# KiCad board panel_bottom.kicad_pcb (continued)
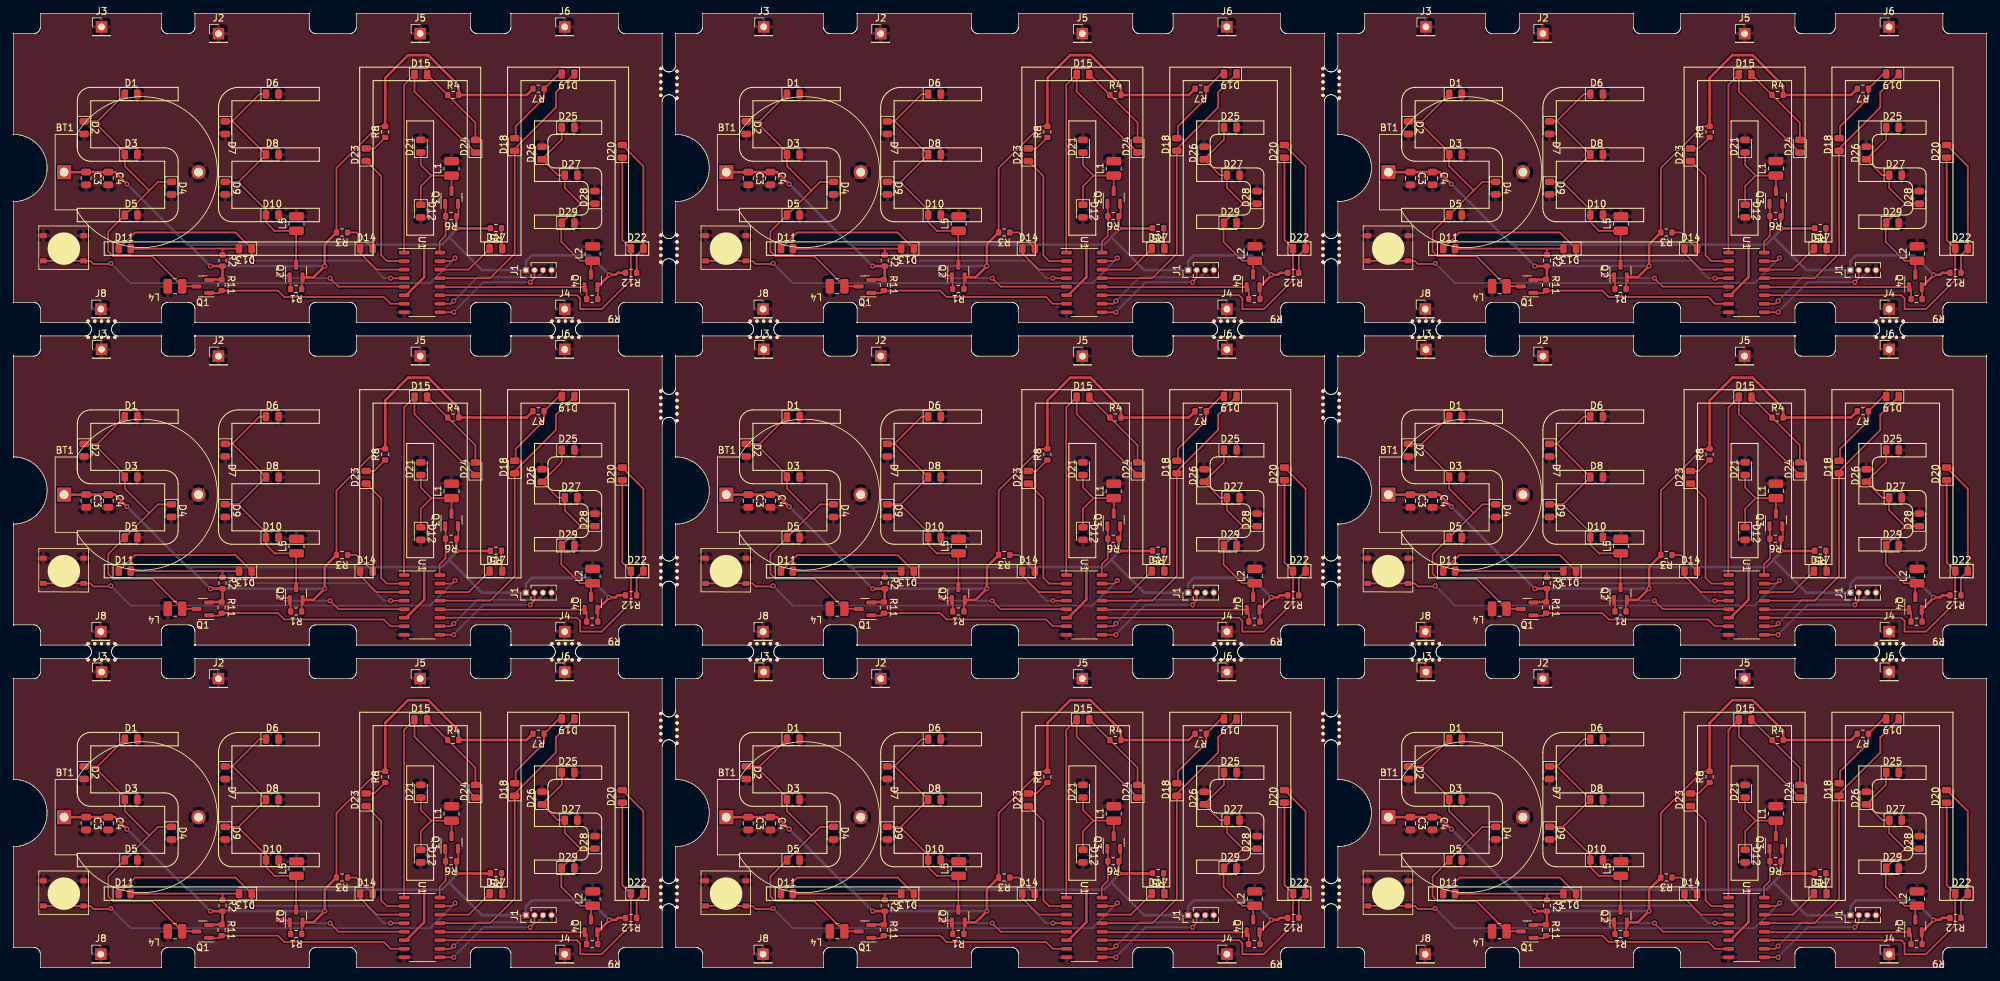
[diagram p0: board, top side]
## Placement (name value [footprint] x y rotation side) (continued)
KiKit_MB_9_5  -  [NPTH]  98.7 133.4 0 top
KiKit_MB_10_1  -  [NPTH]  98.7 105 0 top
KiKit_MB_10_2  -  [NPTH]  98.7 106 0 top
KiKit_MB_10_3  -  [NPTH]  98.7 107 0 top
KiKit_MB_10_4  -  [NPTH]  98.7 108 0 top
KiKit_MB_10_5  -  [NPTH]  98.7 109 0 top
KiKit_MB_11_1  -  [NPTH]  212.1 96.2 0 top
KiKit_MB_11_2  -  [NPTH]  211.1 96.2 0 top
KiKit_MB_11_3  -  [NPTH]  210.1 96.2 0 top
KiKit_MB_11_4  -  [NPTH]  209.1 96.2 0 top
KiKit_MB_11_5  -  [NPTH]  208.1 96.2 0 top
KiKit_MB_12_1  -  [NPTH]  281.1 96.2 0 top
KiKit_MB_12_2  -  [NPTH]  280.1 96.2 0 top
KiKit_MB_12_3  -  [NPTH]  279.1 96.2 0 top
KiKit_MB_12_4  -  [NPTH]  278.1 96.2 0 top
KiKit_MB_12_5  -  [NPTH]  277.1 96.2 0 top
KiKit_MB_13_1  -  [NPTH]  197.2 129.4 0 top
KiKit_MB_13_2  -  [NPTH]  197.2 130.4 0 top
KiKit_MB_13_3  -  [NPTH]  197.2 131.4 0 top
KiKit_MB_13_4  -  [NPTH]  197.2 132.4 0 top
KiKit_MB_13_5  -  [NPTH]  197.2 133.4 0 top
KiKit_MB_14_1  -  [NPTH]  197.2 105 0 top
KiKit_MB_14_2  -  [NPTH]  197.2 106 0 top
KiKit_MB_14_3  -  [NPTH]  197.2 107 0 top
KiKit_MB_14_4  -  [NPTH]  197.2 108 0 top
KiKit_MB_14_5  -  [NPTH]  197.2 109 0 top
KiKit_MB_15_1  -  [NPTH]  96.3 85.8 0 top
KiKit_MB_15_2  -  [NPTH]  96.3 84.8 0 top
KiKit_MB_15_3  -  [NPTH]  96.3 83.8 0 top
KiKit_MB_15_4  -  [NPTH]  96.3 82.8 0 top
KiKit_MB_15_5  -  [NPTH]  96.3 81.8 0 top
KiKit_MB_16_1  -  [NPTH]  96.3 61 0 top
KiKit_MB_16_2  -  [NPTH]  96.3 60 0 top
KiKit_MB_16_3  -  [NPTH]  96.3 59 0 top
KiKit_MB_16_4  -  [NPTH]  96.3 58 0 top
KiKit_MB_16_5  -  [NPTH]  96.3 57 0 top
KiKit_MB_17_1  -  [NPTH]  15.1 48.2 0 top
KiKit_MB_17_2  -  [NPTH]  14.1 48.2 0 top
KiKit_MB_17_3  -  [NPTH]  13.1 48.2 0 top
KiKit_MB_17_4  -  [NPTH]  12.1 48.2 0 top
KiKit_MB_17_5  -  [NPTH]  11.1 48.2 0 top
KiKit_MB_18_1  -  [NPTH]  84.1 48.2 0 top
KiKit_MB_18_2  -  [NPTH]  83.1 48.2 0 top
KiKit_MB_18_3  -  [NPTH]  82.1 48.2 0 top
KiKit_MB_18_4  -  [NPTH]  81.1 48.2 0 top
KiKit_MB_18_5  -  [NPTH]  80.1 48.2 0 top
KiKit_MB_19_1  -  [NPTH]  11.1 93.8 0 top
KiKit_MB_19_2  -  [NPTH]  12.1 93.8 0 top
KiKit_MB_19_3  -  [NPTH]  13.1 93.8 0 top
KiKit_MB_19_4  -  [NPTH]  14.1 93.8 0 top
KiKit_MB_19_5  -  [NPTH]  15.1 93.8 0 top
KiKit_MB_20_1  -  [NPTH]  80.1 93.8 0 top
KiKit_MB_20_2  -  [NPTH]  81.1 93.8 0 top
KiKit_MB_20_3  -  [NPTH]  82.1 93.8 0 top
KiKit_MB_20_4  -  [NPTH]  83.1 93.8 0 top
KiKit_MB_20_5  -  [NPTH]  84.1 93.8 0 top
KiKit_MB_21_1  -  [NPTH]  194.8 85.8 0 top
KiKit_MB_21_2  -  [NPTH]  194.8 84.8 0 top
KiKit_MB_21_3  -  [NPTH]  194.8 83.8 0 top
KiKit_MB_21_4  -  [NPTH]  194.8 82.8 0 top
KiKit_MB_21_5  -  [NPTH]  194.8 81.8 0 top
KiKit_MB_22_1  -  [NPTH]  194.8 61 0 top
KiKit_MB_22_2  -  [NPTH]  194.8 60 0 top
KiKit_MB_22_3  -  [NPTH]  194.8 59 0 top
KiKit_MB_22_4  -  [NPTH]  194.8 58 0 top
KiKit_MB_22_5  -  [NPTH]  194.8 57 0 top
KiKit_MB_23_1  -  [NPTH]  113.6 48.2 0 top
KiKit_MB_23_2  -  [NPTH]  112.6 48.2 0 top
KiKit_MB_23_3  -  [NPTH]  111.6 48.2 0 top
KiKit_MB_23_4  -  [NPTH]  110.6 48.2 0 top
KiKit_MB_23_5  -  [NPTH]  109.6 48.2 0 top
KiKit_MB_24_1  -  [NPTH]  182.6 48.2 0 top
KiKit_MB_24_2  -  [NPTH]  181.6 48.2 0 top
KiKit_MB_24_3  -  [NPTH]  180.6 48.2 0 top
KiKit_MB_24_4  -  [NPTH]  179.6 48.2 0 top
KiKit_MB_24_5  -  [NPTH]  178.6 48.2 0 top
KiKit_MB_25_1  -  [NPTH]  98.7 81.4 0 top
KiKit_MB_25_2  -  [NPTH]  98.7 82.4 0 top
KiKit_MB_25_3  -  [NPTH]  98.7 83.4 0 top
KiKit_MB_25_4  -  [NPTH]  98.7 84.4 0 top
KiKit_MB_25_5  -  [NPTH]  98.7 85.4 0 top
KiKit_MB_26_1  -  [NPTH]  109.6 93.8 0 top
KiKit_MB_26_2  -  [NPTH]  110.6 93.8 0 top
KiKit_MB_26_3  -  [NPTH]  111.6 93.8 0 top
KiKit_MB_26_4  -  [NPTH]  112.6 93.8 0 top
KiKit_MB_26_5  -  [NPTH]  113.6 93.8 0 top
KiKit_MB_27_1  -  [NPTH]  178.6 93.8 0 top
KiKit_MB_27_2  -  [NPTH]  179.6 93.8 0 top
KiKit_MB_27_3  -  [NPTH]  180.6 93.8 0 top
KiKit_MB_27_4  -  [NPTH]  181.6 93.8 0 top
KiKit_MB_27_5  -  [NPTH]  182.6 93.8 0 top
KiKit_MB_28_1  -  [NPTH]  98.7 57 0 top
KiKit_MB_28_2  -  [NPTH]  98.7 58 0 top
KiKit_MB_28_3  -  [NPTH]  98.7 59 0 top
KiKit_MB_28_4  -  [NPTH]  98.7 60 0 top
KiKit_MB_28_5  -  [NPTH]  98.7 61 0 top
KiKit_MB_29_1  -  [NPTH]  212.1 48.2 0 top
KiKit_MB_29_2  -  [NPTH]  211.1 48.2 0 top
KiKit_MB_29_3  -  [NPTH]  210.1 48.2 0 top
KiKit_MB_29_4  -  [NPTH]  209.1 48.2 0 top
KiKit_MB_29_5  -  [NPTH]  208.1 48.2 0 top
KiKit_MB_30_1  -  [NPTH]  281.1 48.2 0 top
KiKit_MB_30_2  -  [NPTH]  280.1 48.2 0 top
KiKit_MB_30_3  -  [NPTH]  279.1 48.2 0 top
KiKit_MB_30_4  -  [NPTH]  278.1 48.2 0 top
KiKit_MB_30_5  -  [NPTH]  277.1 48.2 0 top
KiKit_MB_31_1  -  [NPTH]  197.2 81.4 0 top
KiKit_MB_31_2  -  [NPTH]  197.2 82.4 0 top
KiKit_MB_31_3  -  [NPTH]  197.2 83.4 0 top
KiKit_MB_31_4  -  [NPTH]  197.2 84.4 0 top
KiKit_MB_31_5  -  [NPTH]  197.2 85.4 0 top
KiKit_MB_32_1  -  [NPTH]  208.1 93.8 0 top
KiKit_MB_32_2  -  [NPTH]  209.1 93.8 0 top
KiKit_MB_32_3  -  [NPTH]  210.1 93.8 0 top
KiKit_MB_32_4  -  [NPTH]  211.1 93.8 0 top
KiKit_MB_32_5  -  [NPTH]  212.1 93.8 0 top
KiKit_MB_33_1  -  [NPTH]  277.1 93.8 0 top
KiKit_MB_33_2  -  [NPTH]  278.1 93.8 0 top
KiKit_MB_33_3  -  [NPTH]  279.1 93.8 0 top
KiKit_MB_33_4  -  [NPTH]  280.1 93.8 0 top
KiKit_MB_33_5  -  [NPTH]  281.1 93.8 0 top
KiKit_MB_34_1  -  [NPTH]  197.2 57 0 top
KiKit_MB_34_2  -  [NPTH]  197.2 58 0 top
KiKit_MB_34_3  -  [NPTH]  197.2 59 0 top
KiKit_MB_34_4  -  [NPTH]  197.2 60 0 top
KiKit_MB_34_5  -  [NPTH]  197.2 61 0 top
KiKit_MB_35_1  -  [NPTH]  96.3 37.8 0 top
KiKit_MB_35_2  -  [NPTH]  96.3 36.8 0 top
KiKit_MB_35_3  -  [NPTH]  96.3 35.8 0 top
KiKit_MB_35_4  -  [NPTH]  96.3 34.8 0 top
KiKit_MB_35_5  -  [NPTH]  96.3 33.8 0 top
KiKit_MB_36_1  -  [NPTH]  96.3 13 0 top
KiKit_MB_36_2  -  [NPTH]  96.3 12 0 top
KiKit_MB_36_3  -  [NPTH]  96.3 11 0 top
KiKit_MB_36_4  -  [NPTH]  96.3 10 0 top
KiKit_MB_36_5  -  [NPTH]  96.3 9 0 top
KiKit_MB_37_1  -  [NPTH]  11.1 45.8 0 top
KiKit_MB_37_2  -  [NPTH]  12.1 45.8 0 top
KiKit_MB_37_3  -  [NPTH]  13.1 45.8 0 top
KiKit_MB_37_4  -  [NPTH]  14.1 45.8 0 top
KiKit_MB_37_5  -  [NPTH]  15.1 45.8 0 top
KiKit_MB_38_1  -  [NPTH]  80.1 45.8 0 top
KiKit_MB_38_2  -  [NPTH]  81.1 45.8 0 top
KiKit_MB_38_3  -  [NPTH]  82.1 45.8 0 top
KiKit_MB_38_4  -  [NPTH]  83.1 45.8 0 top
KiKit_MB_38_5  -  [NPTH]  84.1 45.8 0 top
KiKit_MB_39_1  -  [NPTH]  194.8 37.8 0 top
KiKit_MB_39_2  -  [NPTH]  194.8 36.8 0 top
KiKit_MB_39_3  -  [NPTH]  194.8 35.8 0 top
KiKit_MB_39_4  -  [NPTH]  194.8 34.8 0 top
KiKit_MB_39_5  -  [NPTH]  194.8 33.8 0 top
KiKit_MB_40_1  -  [NPTH]  194.8 13 0 top
KiKit_MB_40_2  -  [NPTH]  194.8 12 0 top
KiKit_MB_40_3  -  [NPTH]  194.8 11 0 top
KiKit_MB_40_4  -  [NPTH]  194.8 10 0 top
KiKit_MB_40_5  -  [NPTH]  194.8 9 0 top
KiKit_MB_41_1  -  [NPTH]  98.7 33.4 0 top
KiKit_MB_41_2  -  [NPTH]  98.7 34.4 0 top
KiKit_MB_41_3  -  [NPTH]  98.7 35.4 0 top
KiKit_MB_41_4  -  [NPTH]  98.7 36.4 0 top
KiKit_MB_41_5  -  [NPTH]  98.7 37.4 0 top
KiKit_MB_42_1  -  [NPTH]  109.6 45.8 0 top
KiKit_MB_42_2  -  [NPTH]  110.6 45.8 0 top
KiKit_MB_42_3  -  [NPTH]  111.6 45.8 0 top
KiKit_MB_42_4  -  [NPTH]  112.6 45.8 0 top
KiKit_MB_42_5  -  [NPTH]  113.6 45.8 0 top
KiKit_MB_43_1  -  [NPTH]  178.6 45.8 0 top
KiKit_MB_43_2  -  [NPTH]  179.6 45.8 0 top
KiKit_MB_43_3  -  [NPTH]  180.6 45.8 0 top
KiKit_MB_43_4  -  [NPTH]  181.6 45.8 0 top
KiKit_MB_43_5  -  [NPTH]  182.6 45.8 0 top
KiKit_MB_44_1  -  [NPTH]  98.7 9 0 top
KiKit_MB_44_2  -  [NPTH]  98.7 10 0 top
KiKit_MB_44_3  -  [NPTH]  98.7 11 0 top
KiKit_MB_44_4  -  [NPTH]  98.7 12 0 top
KiKit_MB_44_5  -  [NPTH]  98.7 13 0 top
KiKit_MB_45_1  -  [NPTH]  197.2 33.4 0 top
KiKit_MB_45_2  -  [NPTH]  197.2 34.4 0 top
KiKit_MB_45_3  -  [NPTH]  197.2 35.4 0 top
KiKit_MB_45_4  -  [NPTH]  197.2 36.4 0 top
KiKit_MB_45_5  -  [NPTH]  197.2 37.4 0 top
KiKit_MB_46_1  -  [NPTH]  208.1 45.8 0 top
KiKit_MB_46_2  -  [NPTH]  209.1 45.8 0 top
KiKit_MB_46_3  -  [NPTH]  210.1 45.8 0 top
KiKit_MB_46_4  -  [NPTH]  211.1 45.8 0 top
KiKit_MB_46_5  -  [NPTH]  212.1 45.8 0 top
KiKit_MB_47_1  -  [NPTH]  277.1 45.8 0 top
KiKit_MB_47_2  -  [NPTH]  278.1 45.8 0 top
KiKit_MB_47_3  -  [NPTH]  279.1 45.8 0 top
KiKit_MB_47_4  -  [NPTH]  280.1 45.8 0 top
KiKit_MB_47_5  -  [NPTH]  281.1 45.8 0 top
KiKit_MB_48_1  -  [NPTH]  197.2 9 0 top
KiKit_MB_48_2  -  [NPTH]  197.2 10 0 top
KiKit_MB_48_3  -  [NPTH]  197.2 11 0 top
KiKit_MB_48_4  -  [NPTH]  197.2 12 0 top
KiKit_MB_48_5  -  [NPTH]  197.2 13 0 top
L1  L  [L_1008_2520Metric]  262.16 118.94 90 top
L1#2  L  [L_1008_2520Metric]  65.16 70.94 90 top
L1#3  L  [L_1008_2520Metric]  262.16 22.94 90 top
L1#4  L  [L_1008_2520Metric]  163.66 118.94 90 top
L1#5  L  [L_1008_2520Metric]  262.16 70.94 90 top
L1#6  L  [L_1008_2520Metric]  65.16 118.94 90 top
L1#7  L  [L_1008_2520Metric]  163.66 22.94 90 top
L1#8  L  [L_1008_2520Metric]  163.66 70.94 90 top
L1#9  L  [L_1008_2520Metric]  65.16 22.94 90 top
L2  L  [L_1008_2520Metric]  283.15 58.26 90 top
L2#2  L  [L_1008_2520Metric]  86.15 58.26 90 top
L2#3  L  [L_1008_2520Metric]  86.15 10.26 90 top
L2#4  L  [L_1008_2520Metric]  283.15 106.26 90 top
L2#5  L  [L_1008_2520Metric]  283.15 10.26 90 top
L2#6  L  [L_1008_2520Metric]  86.15 106.26 90 top
L2#7  L  [L_1008_2520Metric]  184.65 10.26 90 top
L2#8  L  [L_1008_2520Metric]  184.65 58.26 90 top
L2#9  L  [L_1008_2520Metric]  184.65 106.26 90 top
L4  L  [L_1008_2520Metric]  221.03 101.4 180 top
L4#2  L  [L_1008_2520Metric]  24.02 53.4 180 top
L4#3  L  [L_1008_2520Metric]  122.53 101.4 180 top
L4#4  L  [L_1008_2520Metric]  122.53 53.4 180 top
L4#5  L  [L_1008_2520Metric]  221.03 53.4 180 top
L4#6  L  [L_1008_2520Metric]  24.02 101.4 180 top
L4#7  L  [L_1008_2520Metric]  122.53 5.4 180 top
L4#8  L  [L_1008_2520Metric]  221.03 5.4 180 top
L4#9  L  [L_1008_2520Metric]  24.02 5.4 180 top
L5  L  [L_1008_2520Metric]  42.1 14.72 90 top
L5#2  L  [L_1008_2520Metric]  42.1 110.72 90 top
L5#3  L  [L_1008_2520Metric]  140.6 14.72 90 top
L5#4  L  [L_1008_2520Metric]  140.6 62.72 90 top
L5#5  L  [L_1008_2520Metric]  239.1 110.72 90 top
L5#6  L  [L_1008_2520Metric]  42.1 62.72 90 top
L5#7  L  [L_1008_2520Metric]  239.1 62.72 90 top
L5#8  L  [L_1008_2520Metric]  239.1 14.72 90 top
L5#9  L  [L_1008_2520Metric]  140.6 110.72 90 top
Q1  AO3401A  [SOT-23]  28.16 101.38 0 top
Q1#2  AO3401A  [SOT-23]  126.66 5.38 0 top
Q1#3  AO3401A  [SOT-23]  126.66 53.38 0 top
Q1#4  AO3401A  [SOT-23]  28.16 5.38 0 top
Q1#5  AO3401A  [SOT-23]  126.66 101.38 0 top
Q1#6  AO3401A  [SOT-23]  225.16 5.38 0 top
Q1#7  AO3401A  [SOT-23]  225.16 101.38 0 top
Q1#8  AO3401A  [SOT-23]  28.16 53.38 0 top
Q1#9  AO3401A  [SOT-23]  225.16 53.38 0 top
Q2  AO3401A  [SOT-23]  239.05 103.66 270 top
Q2#2  AO3401A  [SOT-23]  140.55 7.66 270 top
Q2#3  AO3401A  [SOT-23]  42.05 103.66 270 top
Q2#4  AO3401A  [SOT-23]  239.05 7.66 270 top
Q2#5  AO3401A  [SOT-23]  140.55 55.66 270 top
Q2#6  AO3401A  [SOT-23]  239.05 55.66 270 top
Q2#7  AO3401A  [SOT-23]  140.55 103.66 270 top
Q2#8  AO3401A  [SOT-23]  42.05 7.66 270 top
Q2#9  AO3401A  [SOT-23]  42.05 55.66 270 top
Q3  AO3401A  [SOT-23]  65.16 18.62 270 top
Q3#2  AO3401A  [SOT-23]  262.16 66.62 270 top
Q3#3  AO3401A  [SOT-23]  163.66 18.62 270 top
Q3#4  AO3401A  [SOT-23]  262.16 114.62 270 top
Q3#5  AO3401A  [SOT-23]  65.16 114.62 270 top
Q3#6  AO3401A  [SOT-23]  163.66 66.62 270 top
Q3#7  AO3401A  [SOT-23]  65.16 66.62 270 top
Q3#8  AO3401A  [SOT-23]  262.16 18.62 270 top
Q3#9  AO3401A  [SOT-23]  163.66 114.62 270 top
Q4  AO3401A  [SOT-23]  282.9 102.2 270 top
Q4#2  AO3401A  [SOT-23]  184.4 6.2 270 top
Q4#3  AO3401A  [SOT-23]  282.9 54.2 270 top
Q4#4  AO3401A  [SOT-23]  85.9 54.2 270 top
Q4#5  AO3401A  [SOT-23]  184.4 102.2 270 top
Q4#6  AO3401A  [SOT-23]  282.9 6.2 270 top
Q4#7  AO3401A  [SOT-23]  85.9 102.2 270 top
Q4#8  AO3401A  [SOT-23]  184.4 54.2 270 top
Q4#9  AO3401A  [SOT-23]  85.9 6.2 270 top
R1  100k  [R_0603_1608Metric]  140.55 5 180 top
R1#2  100k  [R_0603_1608Metric]  239.05 101 180 top
R1#3  100k  [R_0603_1608Metric]  239.05 5 180 top
R1#4  100k  [R_0603_1608Metric]  42.05 101 180 top
R1#5  100k  [R_0603_1608Metric]  42.05 53 180 top
R1#6  100k  [R_0603_1608Metric]  42.05 5 180 top
R1#7  100k  [R_0603_1608Metric]  140.55 53 180 top
R1#8  100k  [R_0603_1608Metric]  140.55 101 180 top
R1#9  100k  [R_0603_1608Metric]  239.05 53 180 top
R2  510  [R_0603_1608Metric]  228.1 105.22 270 top
R2#2  510  [R_0603_1608Metric]  129.6 57.22 270 top
R2#3  510  [R_0603_1608Metric]  31.1 57.22 270 top
R2#4  510  [R_0603_1608Metric]  129.6 105.22 270 top
R2#5  510  [R_0603_1608Metric]  31.1 105.22 270 top
R2#6  510  [R_0603_1608Metric]  129.6 9.22 270 top
R2#7  510  [R_0603_1608Metric]  31.1 9.22 270 top
R2#8  510  [R_0603_1608Metric]  228.1 57.22 270 top
R2#9  510  [R_0603_1608Metric]  228.1 9.22 270 top
R3  1k  [R_0603_1608Metric]  147.38 13.4 180 top
R3#2  1k  [R_0603_1608Metric]  48.88 61.4 180 top
R3#3  1k  [R_0603_1608Metric]  245.88 13.4 180 top
R3#4  1k  [R_0603_1608Metric]  147.38 61.4 180 top
R3#5  1k  [R_0603_1608Metric]  245.88 109.4 180 top
R3#6  1k  [R_0603_1608Metric]  147.38 109.4 180 top
R3#7  1k  [R_0603_1608Metric]  48.88 13.4 180 top
R3#8  1k  [R_0603_1608Metric]  245.88 61.4 180 top
R3#9  1k  [R_0603_1608Metric]  48.88 109.4 180 top
R4  510  [R_0603_1608Metric]  262.42 129.86 0 top
R4#2  510  [R_0603_1608Metric]  163.92 129.86 0 top
R4#3  510  [R_0603_1608Metric]  65.42 33.86 0 top
R4#4  510  [R_0603_1608Metric]  65.42 81.86 0 top
R4#5  510  [R_0603_1608Metric]  262.42 81.86 0 top
R4#6  510  [R_0603_1608Metric]  163.92 33.86 0 top
R4#7  510  [R_0603_1608Metric]  65.42 129.86 0 top
R4#8  510  [R_0603_1608Metric]  262.42 33.86 0 top
R4#9  510  [R_0603_1608Metric]  163.92 81.86 0 top
R5  1k  [R_0603_1608Metric]  268.77 14.05 180 top
R5#2  1k  [R_0603_1608Metric]  268.77 110.05 180 top
R5#3  1k  [R_0603_1608Metric]  268.77 62.05 180 top
R5#4  1k  [R_0603_1608Metric]  170.27 110.05 180 top
R5#5  1k  [R_0603_1608Metric]  71.77 62.05 180 top
R5#6  1k  [R_0603_1608Metric]  170.27 14.05 180 top
R5#7  1k  [R_0603_1608Metric]  71.77 110.05 180 top
R5#8  1k  [R_0603_1608Metric]  71.77 14.05 180 top
R5#9  1k  [R_0603_1608Metric]  170.27 62.05 180 top
R6  100k  [R_0603_1608Metric]  262.1 63.83 180 top
R6#2  100k  [R_0603_1608Metric]  262.1 15.83 180 top
R6#3  100k  [R_0603_1608Metric]  262.1 111.83 180 top
R6#4  100k  [R_0603_1608Metric]  163.6 63.83 180 top
R6#5  100k  [R_0603_1608Metric]  65.1 63.83 180 top
R6#6  100k  [R_0603_1608Metric]  163.6 15.83 180 top
R6#7  100k  [R_0603_1608Metric]  163.6 111.83 180 top
R6#8  100k  [R_0603_1608Metric]  65.1 111.83 180 top
R6#9  100k  [R_0603_1608Metric]  65.1 15.83 180 top
R7  510  [R_0603_1608Metric]  78.1 34.8 180 top
R7#2  510  [R_0603_1608Metric]  176.6 82.8 180 top
R7#3  510  [R_0603_1608Metric]  78.1 82.8 180 top
R7#4  510  [R_0603_1608Metric]  275.1 34.8 180 top
R7#5  510  [R_0603_1608Metric]  176.6 130.8 180 top
R7#6  510  [R_0603_1608Metric]  176.6 34.8 180 top
R7#7  510  [R_0603_1608Metric]  78.1 130.8 180 top
R7#8  510  [R_0603_1608Metric]  275.1 130.8 180 top
R7#9  510  [R_0603_1608Metric]  275.1 82.8 180 top
R8  1k  [R_0603_1608Metric]  153.8 28.38 90 top
R8#2  1k  [R_0603_1608Metric]  55.3 124.38 90 top
R8#3  1k  [R_0603_1608Metric]  252.3 76.38 90 top
R8#4  1k  [R_0603_1608Metric]  153.8 76.38 90 top
R8#5  1k  [R_0603_1608Metric]  252.3 28.38 90 top
R8#6  1k  [R_0603_1608Metric]  153.8 124.38 90 top
R8#7  1k  [R_0603_1608Metric]  55.3 76.38 90 top
R8#8  1k  [R_0603_1608Metric]  252.3 124.38 90 top
R8#9  1k  [R_0603_1608Metric]  55.3 28.38 90 top
R9  100k  [R_0603_1608Metric]  283.09 3.48 180 top
R9#2  100k  [R_0603_1608Metric]  283.09 99.48 180 top
R9#3  100k  [R_0603_1608Metric]  184.59 99.48 180 top
R9#4  100k  [R_0603_1608Metric]  184.59 3.48 180 top
R9#5  100k  [R_0603_1608Metric]  86.09 51.48 180 top
R9#6  100k  [R_0603_1608Metric]  283.09 51.48 180 top
R9#7  100k  [R_0603_1608Metric]  184.59 51.48 180 top
R9#8  100k  [R_0603_1608Metric]  86.09 99.48 180 top
R9#9  100k  [R_0603_1608Metric]  86.09 3.48 180 top
R11  100k  [R_0603_1608Metric]  227.96 101.58 270 top
R11#2  100k  [R_0603_1608Metric]  30.96 53.58 270 top
R11#3  100k  [R_0603_1608Metric]  129.46 5.57 270 top
R11#4  100k  [R_0603_1608Metric]  129.46 101.58 270 top
R11#5  100k  [R_0603_1608Metric]  129.46 53.58 270 top
R11#6  100k  [R_0603_1608Metric]  227.96 53.58 270 top
R11#7  100k  [R_0603_1608Metric]  30.96 101.58 270 top
R11#8  100k  [R_0603_1608Metric]  30.96 5.57 270 top
R11#9  100k  [R_0603_1608Metric]  227.96 5.57 270 top
R12  510  [R_0603_1608Metric]  288.88 103.4 180 top
R12#2  510  [R_0603_1608Metric]  190.38 7.4 180 top
R12#3  510  [R_0603_1608Metric]  190.38 103.4 180 top
R12#4  510  [R_0603_1608Metric]  91.88 103.4 180 top
R12#5  510  [R_0603_1608Metric]  91.88 7.4 180 top
R12#6  510  [R_0603_1608Metric]  190.38 55.4 180 top
R12#7  510  [R_0603_1608Metric]  288.88 55.4 180 top
R12#8  510  [R_0603_1608Metric]  91.88 55.4 180 top
R12#9  510  [R_0603_1608Metric]  288.88 7.4 180 top
SW1  SW_DPST_x2  [SW_Push_TS-1187A]  204.45 59.05 180 top
SW1#2  SW_DPST_x2  [SW_Push_TS-1187A]  7.45 59.05 180 top
SW1#3  SW_DPST_x2  [SW_Push_TS-1187A]  105.95 59.05 180 top
SW1#4  SW_DPST_x2  [SW_Push_TS-1187A]  204.45 11.05 180 top
SW1#5  SW_DPST_x2  [SW_Push_TS-1187A]  204.45 107.05 180 top
SW1#6  SW_DPST_x2  [SW_Push_TS-1187A]  7.45 107.05 180 top
SW1#7  SW_DPST_x2  [SW_Push_TS-1187A]  7.45 11.05 180 top
SW1#8  SW_DPST_x2  [SW_Push_TS-1187A]  105.95 107.05 180 top
SW1#9  SW_DPST_x2  [SW_Push_TS-1187A]  105.95 11.05 180 top
U1  STC8G1K08-SOP16  [STC_SOP-16_3.9x9.9mm_P1.27mm]  257.79 101.97 270 top
U1#2  STC8G1K08-SOP16  [STC_SOP-16_3.9x9.9mm_P1.27mm]  159.29 5.97 270 top
U1#3  STC8G1K08-SOP16  [STC_SOP-16_3.9x9.9mm_P1.27mm]  60.79 5.97 270 top
U1#4  STC8G1K08-SOP16  [STC_SOP-16_3.9x9.9mm_P1.27mm]  159.29 53.97 270 top
U1#5  STC8G1K08-SOP16  [STC_SOP-16_3.9x9.9mm_P1.27mm]  257.79 5.97 270 top
U1#6  STC8G1K08-SOP16  [STC_SOP-16_3.9x9.9mm_P1.27mm]  60.79 101.97 270 top
U1#7  STC8G1K08-SOP16  [STC_SOP-16_3.9x9.9mm_P1.27mm]  60.79 53.97 270 top
U1#8  STC8G1K08-SOP16  [STC_SOP-16_3.9x9.9mm_P1.27mm]  257.79 53.97 270 top
U1#9  STC8G1K08-SOP16  [STC_SOP-16_3.9x9.9mm_P1.27mm]  159.29 101.97 270 top

## Library data of the parts
BT1 BT1#2-BT1#9 = -: Description: Multiple-cell battery
C3 C3#2-C3#9 C4 C4#2-C4#9 = -: Description: Unpolarized capacitor
D1 D1#2-D1#9 D2 D2#2-D2#9 D3 D3#2-D3#9 D4 D4#2-D4#9 D5 D5#2-D5#9 D6 D6#2-D6#9 D7 D7#2-D7#9 D8 D8#2-D8#9 D9 D9#2-D9#9 D10 D10#2-D10#9 D11 D11#2-D11#9 D12 D12#2-D12#9 D13 D13#2-D13#9 D14 D14#2-D14#9 D15 D15#2-D15#9 D17 D17#2-D17#9 D18 D18#2-D18#9 D19 D19#2-D19#9 D20 D20#2-D20#9 D21 D21#2-D21#9 D22 D22#2-D22#9 D23 D23#2-D23#9 D24 D24#2-D24#9 D25 D25#2-D25#9 D26 D26#2-D26#9 D27 D27#2-D27#9 D28 D28#2-D28#9 D29 D29#2-D29#9 = -: Description: Light emitting diode
J1 J1#2-J1#9 = -: Description: Generic connector, single row, 01x04, script generated (kicad-library-utils/schlib/autogen/connector/)
J2 J2#2-J2#9 J3 J3#2-J3#9 J4 J4#2-J4#9 J5 J5#2-J5#9 J6 J6#2-J6#9 J8 J8#2-J8#9 = -: Description: Generic connector, single row, 01x01, script generated (kicad-library-utils/schlib/autogen/connector/)
L1 L1#2-L1#9 L2 L2#2-L2#9 L4 L4#2-L4#9 L5 L5#2-L5#9 = -: Description: Inductor
Q1 Q1#2-Q1#9 Q2 Q2#2-Q2#9 Q3 Q3#2-Q3#9 Q4 Q4#2-Q4#9 = -: Description: -4.0A Id, -30V Vds, P-Channel MOSFET, SOT-23
R1 R1#2-R1#9 R2 R2#2-R2#9 R3 R3#2-R3#9 R4 R4#2-R4#9 R5 R5#2-R5#9 R6 R6#2-R6#9 R7 R7#2-R7#9 R8 R8#2-R8#9 R9 R9#2-R9#9 R11 R11#2-R11#9 R12 R12#2-R12#9 = -: Description: Resistor
SW1 SW1#2-SW1#9 = -: Description: Single Pole Single Throw (SPST) switch, separate symbol
U1 U1#2-U1#9 = -: Description: Single Chip MCU based on the 8051 architecture, 1KB Flash, 4KB EEPROM, SOP-16

## Footprints (pads in the part's own frame, mm; a bottom-side part is the same pattern mirrored in y, then rotated)
C_0805_2012Metric
  rrect 1x1.45 smd: 1(-0.95,0) 2(0.95,0)
CR2032_Holder
  rect 2.1x2.1 hole 1.3: 1(0,0)
  round 2.1 hole 1.3: 2(20,0)
L_1008_2520Metric
  rrect 1.25x2.2 smd: 1(-1.075,0) 2(1.075,0)
LED_0805_2012Metric
  rrect 0.975x1.4 smd: 1(-0.938,0) 2(0.938,0)
LED_0805_2012Metric#2
  rrect 0.975x1.4 smd: 1(-0.834,-0.002) 2(0.938,0)
NPTH
  round 0.5 hole 0.5 unplated: (0,0)
PinHeader_1x01_P2.54mm_Vertical
  rect 1.7x1.7 hole 1: 1(0,0)
PinHeader_1x04_P1.27mm_Vertical
  rect 1x1 hole 0.65: 1(0,0)
  oval 1x1 hole 0.65: 2(0,-1.27) 3(0,-2.54) 4(0,-3.81)
R_0603_1608Metric
  rrect 0.8x0.95 smd: 1(-0.825,0) 2(0.825,0)
SOT-23
  rrect 1.475x0.6 smd: 1(0.938,-0.95) 2(0.938,0.95) 3(-0.938,0)
STC_SOP-16_3.9x9.9mm_P1.27mm
  rrect 0.55x1.6 smd: 1(-4.445,-2.65) 2(-3.175,-2.65) 3(-1.905,-2.65) 4(-0.635,-2.65) 5(0.635,-2.65) 6(1.905,-2.65) 7(3.175,-2.65) 8(4.445,-2.65) 9(4.445,2.65) 10(3.175,2.65) 11(1.905,2.65) 12(0.635,2.65) 13(-0.635,2.65) 14(-1.905,2.65) 15(-3.175,2.65) 16(-4.445,2.65)
SW_Push_TS-1187A
  rect 1x0.75 smd: 1(-3,1.875) 1(3,1.875) 2(-3,-1.875) 2(3,-1.875)

## Nets
Board_0-/LED_EN_1: Q3#5.1 R6#8.2 U1#6.16
Board_0-/LED_EN_5: Q4#7.1 R9#8.2 U1#6.12
Board_0-/LED_EN_E: Q2#3.1 R1#4.2 U1#6.5
Board_0-/LED_EN_M1: D11#4.1 D13#2.1 U1#6.4
Board_0-/LED_EN_M2: D14#3.1 U1#6.3
Board_0-/LED_EN_M3: D23#6.1 U1#6.2
Board_0-/LED_EN_M4: D15#5.1 D24#5.1 U1#6.1
Board_0-/LED_EN_M5: D17#8.1 U1#6.14
Board_0-/LED_EN_M6: D18#9.1 D19#9.1 U1#6.13
Board_0-/LED_EN_M7: D20#7.1 D22.1 U1#6.11
Board_0-/LED_EN_S: Q1.1 R11#7.2 U1#6.7
Board_0-/P3.0: J1#8.2 U1#6.9
Board_0-/P3.1: J1#8.3 U1#6.10
Board_0-/SW_IN: SW1#6.1 U1#6.15
Board_0-GND: BT1#5.2 C3.2 C4#6.2 D1#3.2 D2#2.2 D3#9.2 D4#9.2 D5.2 D6#5.2 D7#6.2 D8#9.2 D9#7.2 D10#4.2 D12#7.2 D21.2 D25#9.2 D26#3.2 D27#6.2 D28#2.2 D29#7.2 J1#8.4 J2#2.1 J3#2.1 J4#8.1 J5#7.1 J6#6.1 J8#2.1 L1#6.2 L2#6.2 L4#6.2 L5#2.2 SW1#6.2 U1#6.8
Board_0-Net-(D1-K): D1#3.1 D2#2.1 D3#9.1 D4#9.1 D5.1 L4#6.1 Q1.3
Board_0-Net-(D10-K): D6#5.1 D7#6.1 D8#9.1 D9#7.1 D10#4.1 L5#2.1 Q2#3.3
Board_0-Net-(D11-A): D11#4.2 D13#2.2 R2#5.1
Board_0-Net-(D12-K): D12#7.1 D21.1 L1#6.1 Q3#5.3
Board_0-Net-(D14-A): D14#3.2 R3#9.1
Board_0-Net-(D15-A): D15#5.2 D24#5.2 R4#7.1
Board_0-Net-(D17-A): D17#8.2 R5#7.1
Board_0-Net-(D18-A): D18#9.2 D19#9.2 R7#7.1
Board_0-Net-(D20-A): D20#7.2 D22.2 R12#4.1
Board_0-Net-(D23-A): D23#6.2 R8#2.1
Board_0-Net-(D25-K): D25#9.1 D26#3.1 D27#6.1 D28#2.1 D29#7.1 L2#6.1 Q4#7.3
Board_0-VCC: BT1#5.1 C3.1 C4#6.1 J1#8.1 Q1.2 Q2#3.2 Q3#5.2 Q4#7.2 R1#4.1 R2#5.2 R3#9.2 R4#7.2 R5#7.2 R6#8.1 R7#7.2 R8#2.2 R9#8.1 R11#7.1 R12#4.2 U1#6.6
Board_1-/LED_EN_1: Q3#9.1 R6#7.2 U1#9.16
Board_1-/LED_EN_5: Q4#5.1 R9#3.2 U1#9.12
Board_1-/LED_EN_E: Q2#7.1 R1#8.2 U1#9.5
Board_1-/LED_EN_M1: D11#6.1 D13#5.1 U1#9.4
Board_1-/LED_EN_M2: D14#9.1 U1#9.3
Board_1-/LED_EN_M3: D23#7.1 U1#9.2
Board_1-/LED_EN_M4: D15#8.1 D24#3.1 U1#9.1
Board_1-/LED_EN_M5: D17#4.1 U1#9.14
Board_1-/LED_EN_M6: D18#8.1 D19#6.1 U1#9.13
Board_1-/LED_EN_M7: D20#2.1 D22#6.1 U1#9.11
Board_1-/LED_EN_S: Q1#5.1 R11#4.2 U1#9.7
Board_1-/P3.0: J1#7.2 U1#9.9
Board_1-/P3.1: J1#7.3 U1#9.10
Board_1-/SW_IN: SW1#8.1 U1#9.15
Board_1-GND: BT1#9.2 C3#6.2 C4#3.2 D1#7.2 D2#9.2 D3#6.2 D4#6.2 D5#8.2 D6#9.2 D7.2 D8#8.2 D9#9.2 D10#5.2 D12#2.2 D21#6.2 D25.2 D26#4.2 D27#4.2 D28#6.2 D29#4.2 J1#7.4 J2#4.1 J3#8.1 J4#7.1 J5#4.1 J6#5.1 J8#8.1 L1#4.2 L2#9.2 L4#3.2 L5#9.2 SW1#8.2 U1#9.8
Board_1-Net-(D1-K): D1#7.1 D2#9.1 D3#6.1 D4#6.1 D5#8.1 L4#3.1 Q1#5.3
Board_1-Net-(D10-K): D6#9.1 D7.1 D8#8.1 D9#9.1 D10#5.1 L5#9.1 Q2#7.3
Board_1-Net-(D11-A): D11#6.2 D13#5.2 R2#4.1
Board_1-Net-(D12-K): D12#2.1 D21#6.1 L1#4.1 Q3#9.3
Board_1-Net-(D14-A): D14#9.2 R3#6.1
Board_1-Net-(D15-A): D15#8.2 D24#3.2 R4#2.1
Board_1-Net-(D17-A): D17#4.2 R5#4.1
Board_1-Net-(D18-A): D18#8.2 D19#6.2 R7#5.1
Board_1-Net-(D20-A): D20#2.2 D22#6.2 R12#3.1
Board_1-Net-(D23-A): D23#7.2 R8#6.1
Board_1-Net-(D25-K): D25.1 D26#4.1 D27#4.1 D28#6.1 D29#4.1 L2#9.1 Q4#5.3
Board_1-VCC: BT1#9.1 C3#6.1 C4#3.1 J1#7.1 Q1#5.2 Q2#7.2 Q3#9.2 Q4#5.2 R1#8.1 R2#4.2 R3#6.2 R4#2.2 R5#4.2 R6#7.1 R7#5.2 R8#6.2 R9#3.1 R11#4.1 R12#3.2 U1#9.6
Board_2-/LED_EN_1: Q3#4.1 R6#3.2 U1.16
Board_2-/LED_EN_5: Q4.1 R9#2.2 U1.12
Board_2-/LED_EN_E: Q2.1 R1#2.2 U1.5
Board_2-/LED_EN_M1: D11.1 D13#6.1 U1.4
Board_2-/LED_EN_M2: D14#6.1 U1.3
Board_2-/LED_EN_M3: D23#3.1 U1.2
Board_2-/LED_EN_M4: D15#3.1 D24.1 U1.1
Board_2-/LED_EN_M5: D17.1 U1.14
Board_2-/LED_EN_M6: D18#4.1 D19#7.1 U1.13
Board_2-/LED_EN_M7: D20.1 D22#7.1 U1.11
Board_2-/LED_EN_S: Q1#7.1 R11.2 U1.7
Board_2-/P3.0: J1#6.2 U1.9
Board_2-/P3.1: J1#6.3 U1.10
Board_2-/SW_IN: SW1#5.1 U1.15
Board_2-GND: BT1#2.2 C3#9.2 C4#2.2 D1#9.2 D2#8.2 D3.2 D4#5.2 D5#2.2 D6#6.2 D7#4.2 D8#3.2 D9#5.2 D10.2 D12#6.2 D21#2.2 D25#2.2 D26.2 D27#2.2 D28#9.2 D29.2 J1#6.4 J2#5.1 J3#3.1 J4#3.1 J5#9.1 J6#2.1 J8.1 L1.2 L2#4.2 L4.2 L5#5.2 SW1#5.2 U1.8
Board_2-Net-(D1-K): D1#9.1 D2#8.1 D3.1 D4#5.1 D5#2.1 L4.1 Q1#7.3
Board_2-Net-(D10-K): D6#6.1 D7#4.1 D8#3.1 D9#5.1 D10.1 L5#5.1 Q2.3
Board_2-Net-(D11-A): D11.2 D13#6.2 R2.1
Board_2-Net-(D12-K): D12#6.1 D21#2.1 L1.1 Q3#4.3
Board_2-Net-(D14-A): D14#6.2 R3#5.1
Board_2-Net-(D15-A): D15#3.2 D24.2 R4.1
Board_2-Net-(D17-A): D17.2 R5#2.1
Board_2-Net-(D18-A): D18#4.2 D19#7.2 R7#8.1
Board_2-Net-(D20-A): D20.2 D22#7.2 R12.1
Board_2-Net-(D23-A): D23#3.2 R8#8.1
Board_2-Net-(D25-K): D25#2.1 D26.1 D27#2.1 D28#9.1 D29.1 L2#4.1 Q4.3
Board_2-VCC: BT1#2.1 C3#9.1 C4#2.1 J1#6.1 Q1#7.2 Q2.2 Q3#4.2 Q4.2 R1#2.1 R2.2 R3#5.2 R4.2 R5#2.2 R6#3.1 R7#8.2 R8#8.2 R9#2.1 R11.1 R12.2 U1.6
Board_3-/LED_EN_1: Q3#7.1 R6#5.2 U1#7.16
Board_3-/LED_EN_5: Q4#4.1 R9#5.2 U1#7.12
Board_3-/LED_EN_E: Q2#9.1 R1#5.2 U1#7.5
Board_3-/LED_EN_M1: D11#2.1 D13#8.1 U1#7.4
Board_3-/LED_EN_M2: D14#7.1 U1#7.3
Board_3-/LED_EN_M3: D23#8.1 U1#7.2
Board_3-/LED_EN_M4: D15#2.1 D24#8.1 U1#7.1
Board_3-/LED_EN_M5: D17#3.1 U1#7.14
Board_3-/LED_EN_M6: D18#2.1 D19#2.1 U1#7.13
Board_3-/LED_EN_M7: D20#3.1 D22#3.1 U1#7.11
Board_3-/LED_EN_S: Q1#8.1 R11#2.2 U1#7.7
Board_3-/P3.0: J1#5.2 U1#7.9
Board_3-/P3.1: J1#5.3 U1#7.10
Board_3-/SW_IN: SW1#2.1 U1#7.15
Board_3-GND: BT1.2 C3#8.2 C4#7.2 D1#8.2 D2#4.2 D3#8.2 D4.2 D5#9.2 D6#3.2 D7#7.2 D8#2.2 D9#6.2 D10#8.2 D12#3.2 D21#7.2 D25#5.2 D26#9.2 D27#9.2 D28#7.2 D29#9.2 J1#5.4 J2#6.1 J3#9.1 J4#6.1 J5.1 J6#9.1 J8#7.1 L1#2.2 L2#2.2 L4#2.2 L5#6.2 SW1#2.2 U1#7.8
Board_3-Net-(D1-K): D1#8.1 D2#4.1 D3#8.1 D4.1 D5#9.1 L4#2.1 Q1#8.3
Board_3-Net-(D10-K): D6#3.1 D7#7.1 D8#2.1 D9#6.1 D10#8.1 L5#6.1 Q2#9.3
Board_3-Net-(D11-A): D11#2.2 D13#8.2 R2#3.1
Board_3-Net-(D12-K): D12#3.1 D21#7.1 L1#2.1 Q3#7.3
Board_3-Net-(D14-A): D14#7.2 R3#2.1
Board_3-Net-(D15-A): D15#2.2 D24#8.2 R4#4.1
Board_3-Net-(D17-A): D17#3.2 R5#5.1
Board_3-Net-(D18-A): D18#2.2 D19#2.2 R7#3.1
Board_3-Net-(D20-A): D20#3.2 D22#3.2 R12#8.1
Board_3-Net-(D23-A): D23#8.2 R8#7.1
Board_3-Net-(D25-K): D25#5.1 D26#9.1 D27#9.1 D28#7.1 D29#9.1 L2#2.1 Q4#4.3
Board_3-VCC: BT1.1 C3#8.1 C4#7.1 J1#5.1 Q1#8.2 Q2#9.2 Q3#7.2 Q4#4.2 R1#5.1 R2#3.2 R3#2.2 R4#4.2 R5#5.2 R6#5.1 R7#3.2 R8#7.2 R9#5.1 R11#2.1 R12#8.2 U1#7.6
Board_4-/LED_EN_1: Q3#6.1 R6#4.2 U1#4.16
Board_4-/LED_EN_5: Q4#8.1 R9#7.2 U1#4.12
Board_4-/LED_EN_E: Q2#5.1 R1#7.2 U1#4.5
Board_4-/LED_EN_M1: D11#5.1 D13.1 U1#4.4
Board_4-/LED_EN_M2: D14#8.1 U1#4.3
Board_4-/LED_EN_M3: D23.1 U1#4.2
Board_4-/LED_EN_M4: D15#6.1 D24#6.1 U1#4.1
Board_4-/LED_EN_M5: D17#9.1 U1#4.14
Board_4-/LED_EN_M6: D18#6.1 D19#5.1 U1#4.13
Board_4-/LED_EN_M7: D20#9.1 D22#8.1 U1#4.11
Board_4-/LED_EN_S: Q1#3.1 R11#5.2 U1#4.7
Board_4-/P3.0: J1#4.2 U1#4.9
Board_4-/P3.1: J1#4.3 U1#4.10
Board_4-/SW_IN: SW1#3.1 U1#4.15
Board_4-GND: BT1#4.2 C3#7.2 C4#5.2 D1#5.2 D2#5.2 D3#7.2 D4#3.2 D5#3.2 D6#8.2 D7#5.2 D8#4.2 D9#2.2 D10#7.2 D12.2 D21#9.2 D25#7.2 D26#6.2 D27#5.2 D28#4.2 D29#2.2 J1#4.4 J2#3.1 J3#6.1 J4#2.1 J5#2.1 J6#4.1 J8#5.1 L1#8.2 L2#8.2 L4#4.2 L5#4.2 SW1#3.2 U1#4.8
Board_4-Net-(D1-K): D1#5.1 D2#5.1 D3#7.1 D4#3.1 D5#3.1 L4#4.1 Q1#3.3
Board_4-Net-(D10-K): D6#8.1 D7#5.1 D8#4.1 D9#2.1 D10#7.1 L5#4.1 Q2#5.3
Board_4-Net-(D11-A): D11#5.2 D13.2 R2#2.1
Board_4-Net-(D12-K): D12.1 D21#9.1 L1#8.1 Q3#6.3
Board_4-Net-(D14-A): D14#8.2 R3#4.1
Board_4-Net-(D15-A): D15#6.2 D24#6.2 R4#9.1
Board_4-Net-(D17-A): D17#9.2 R5#9.1
Board_4-Net-(D18-A): D18#6.2 D19#5.2 R7#2.1
Board_4-Net-(D20-A): D20#9.2 D22#8.2 R12#6.1
Board_4-Net-(D23-A): D23.2 R8#4.1
Board_4-Net-(D25-K): D25#7.1 D26#6.1 D27#5.1 D28#4.1 D29#2.1 L2#8.1 Q4#8.3
Board_4-VCC: BT1#4.1 C3#7.1 C4#5.1 J1#4.1 Q1#3.2 Q2#5.2 Q3#6.2 Q4#8.2 R1#7.1 R2#2.2 R3#4.2 R4#9.2 R5#9.2 R6#4.1 R7#2.2 R8#4.2 R9#7.1 R11#5.1 R12#6.2 U1#4.6
Board_5-/LED_EN_1: Q3#2.1 R6.2 U1#8.16
Board_5-/LED_EN_5: Q4#3.1 R9#6.2 U1#8.12
Board_5-/LED_EN_E: Q2#6.1 R1#9.2 U1#8.5
Board_5-/LED_EN_M1: D11#7.1 D13#9.1 U1#8.4
Board_5-/LED_EN_M2: D14#5.1 U1#8.3
Board_5-/LED_EN_M3: D23#5.1 U1#8.2
Board_5-/LED_EN_M4: D15#4.1 D24#7.1 U1#8.1
Board_5-/LED_EN_M5: D17#7.1 U1#8.14
Board_5-/LED_EN_M6: D18#7.1 D19#3.1 U1#8.13
Board_5-/LED_EN_M7: D20#6.1 D22#5.1 U1#8.11
Board_5-/LED_EN_S: Q1#9.1 R11#6.2 U1#8.7
Board_5-/P3.0: J1#9.2 U1#8.9
Board_5-/P3.1: J1#9.3 U1#8.10
Board_5-/SW_IN: SW1.1 U1#8.15
